# Altium PCB AAS_module_rev1_2.PcbDoc (part 1 of 2)
Units mm, origin at the board's own origin, x right, y up, seen from the top; angles counter-clockwise.
Board outline 73 x 73 mm, 2 copper layers (Component Side, Bottom Layer), stack 0.971 mm thick; 126 components, 108 nets, 483 pads, 376 vias.
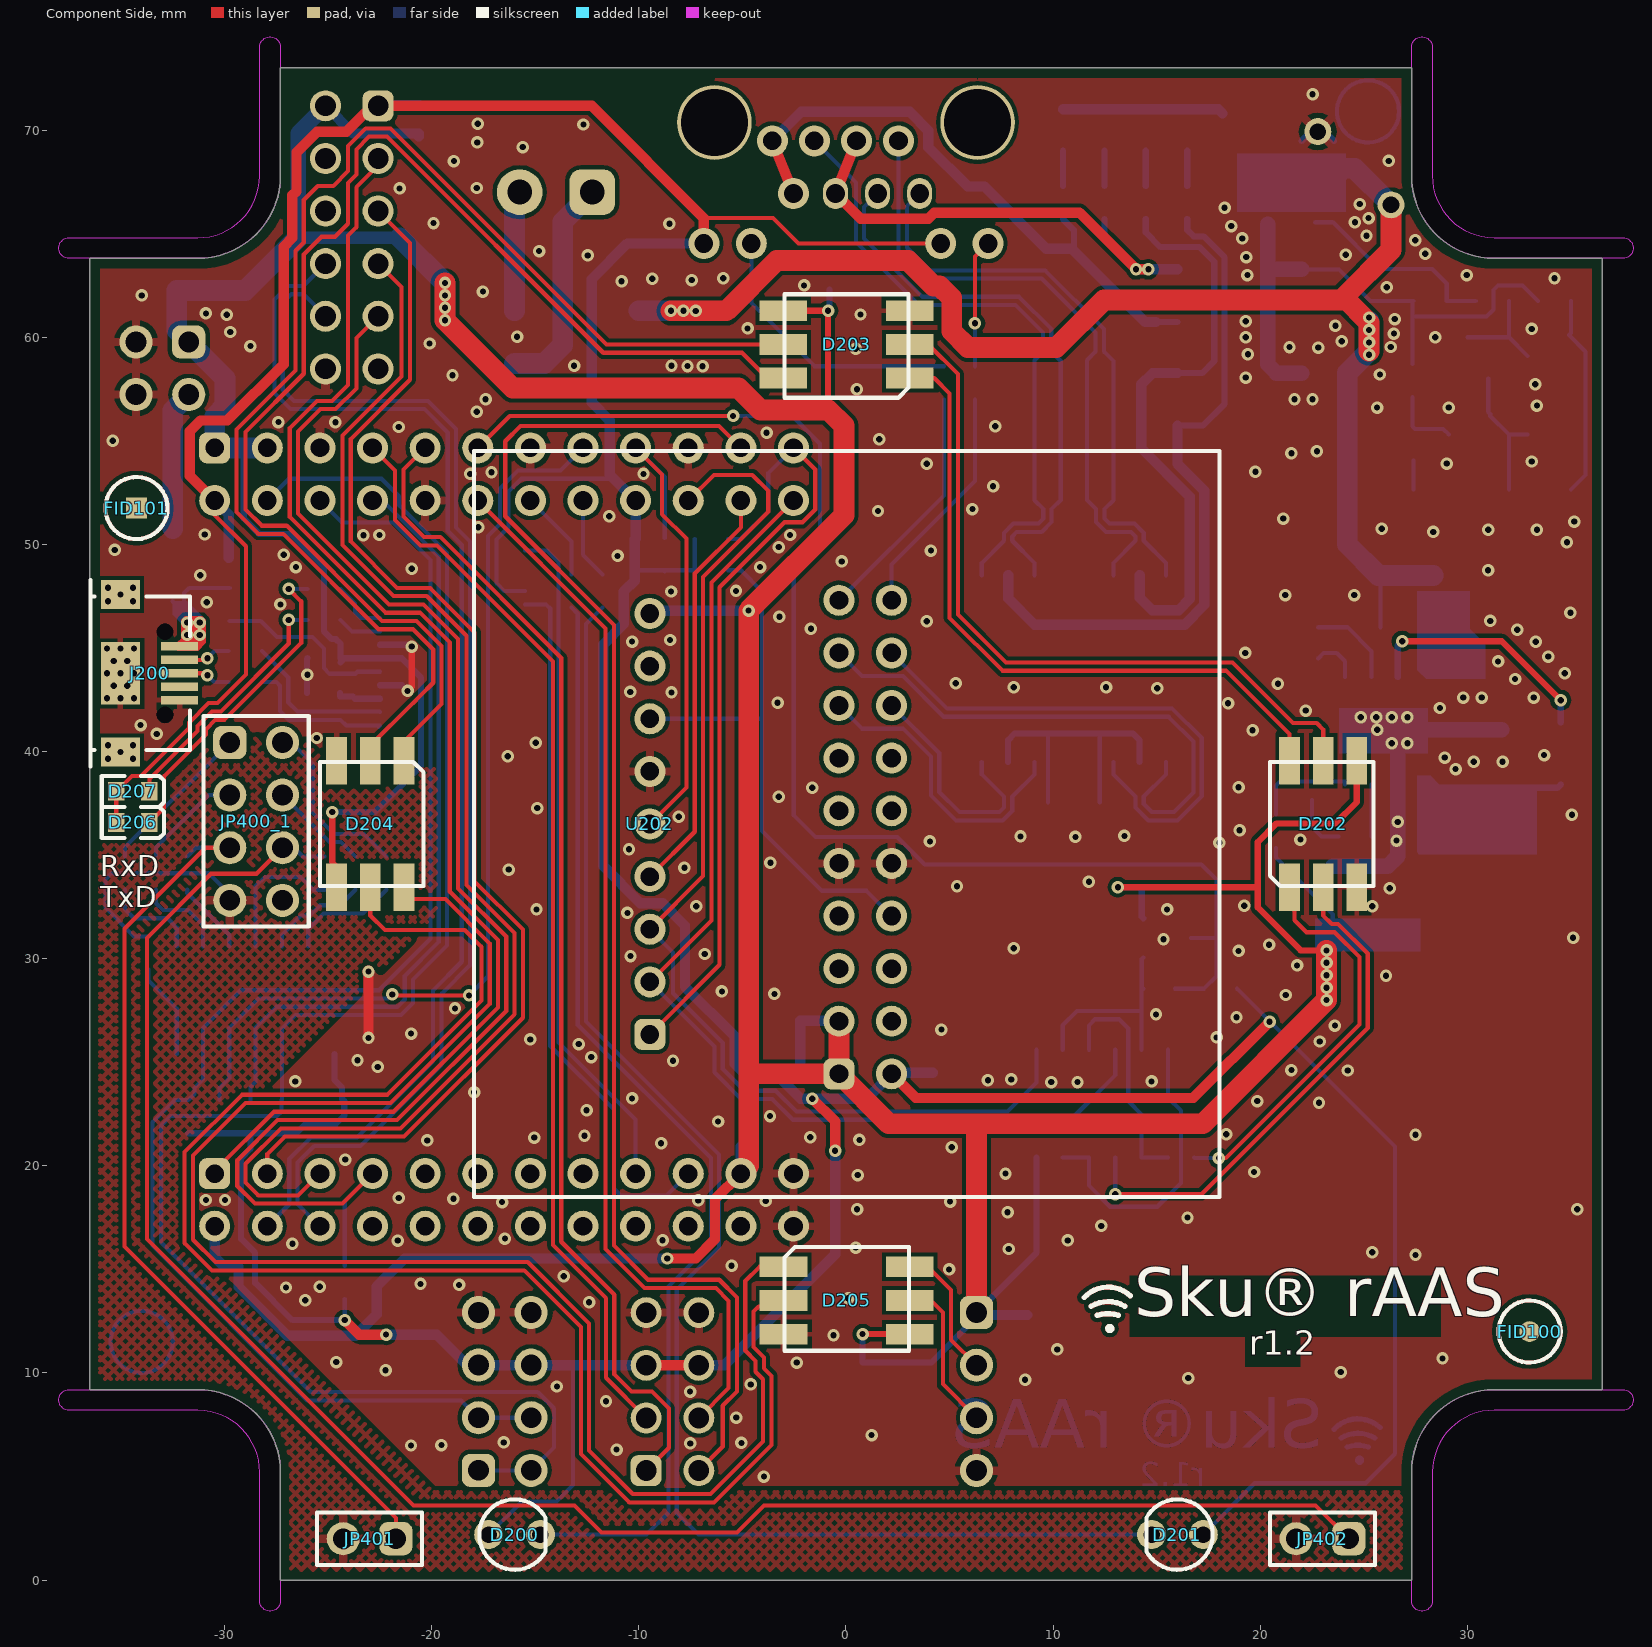
[diagram p0: Component Side view]
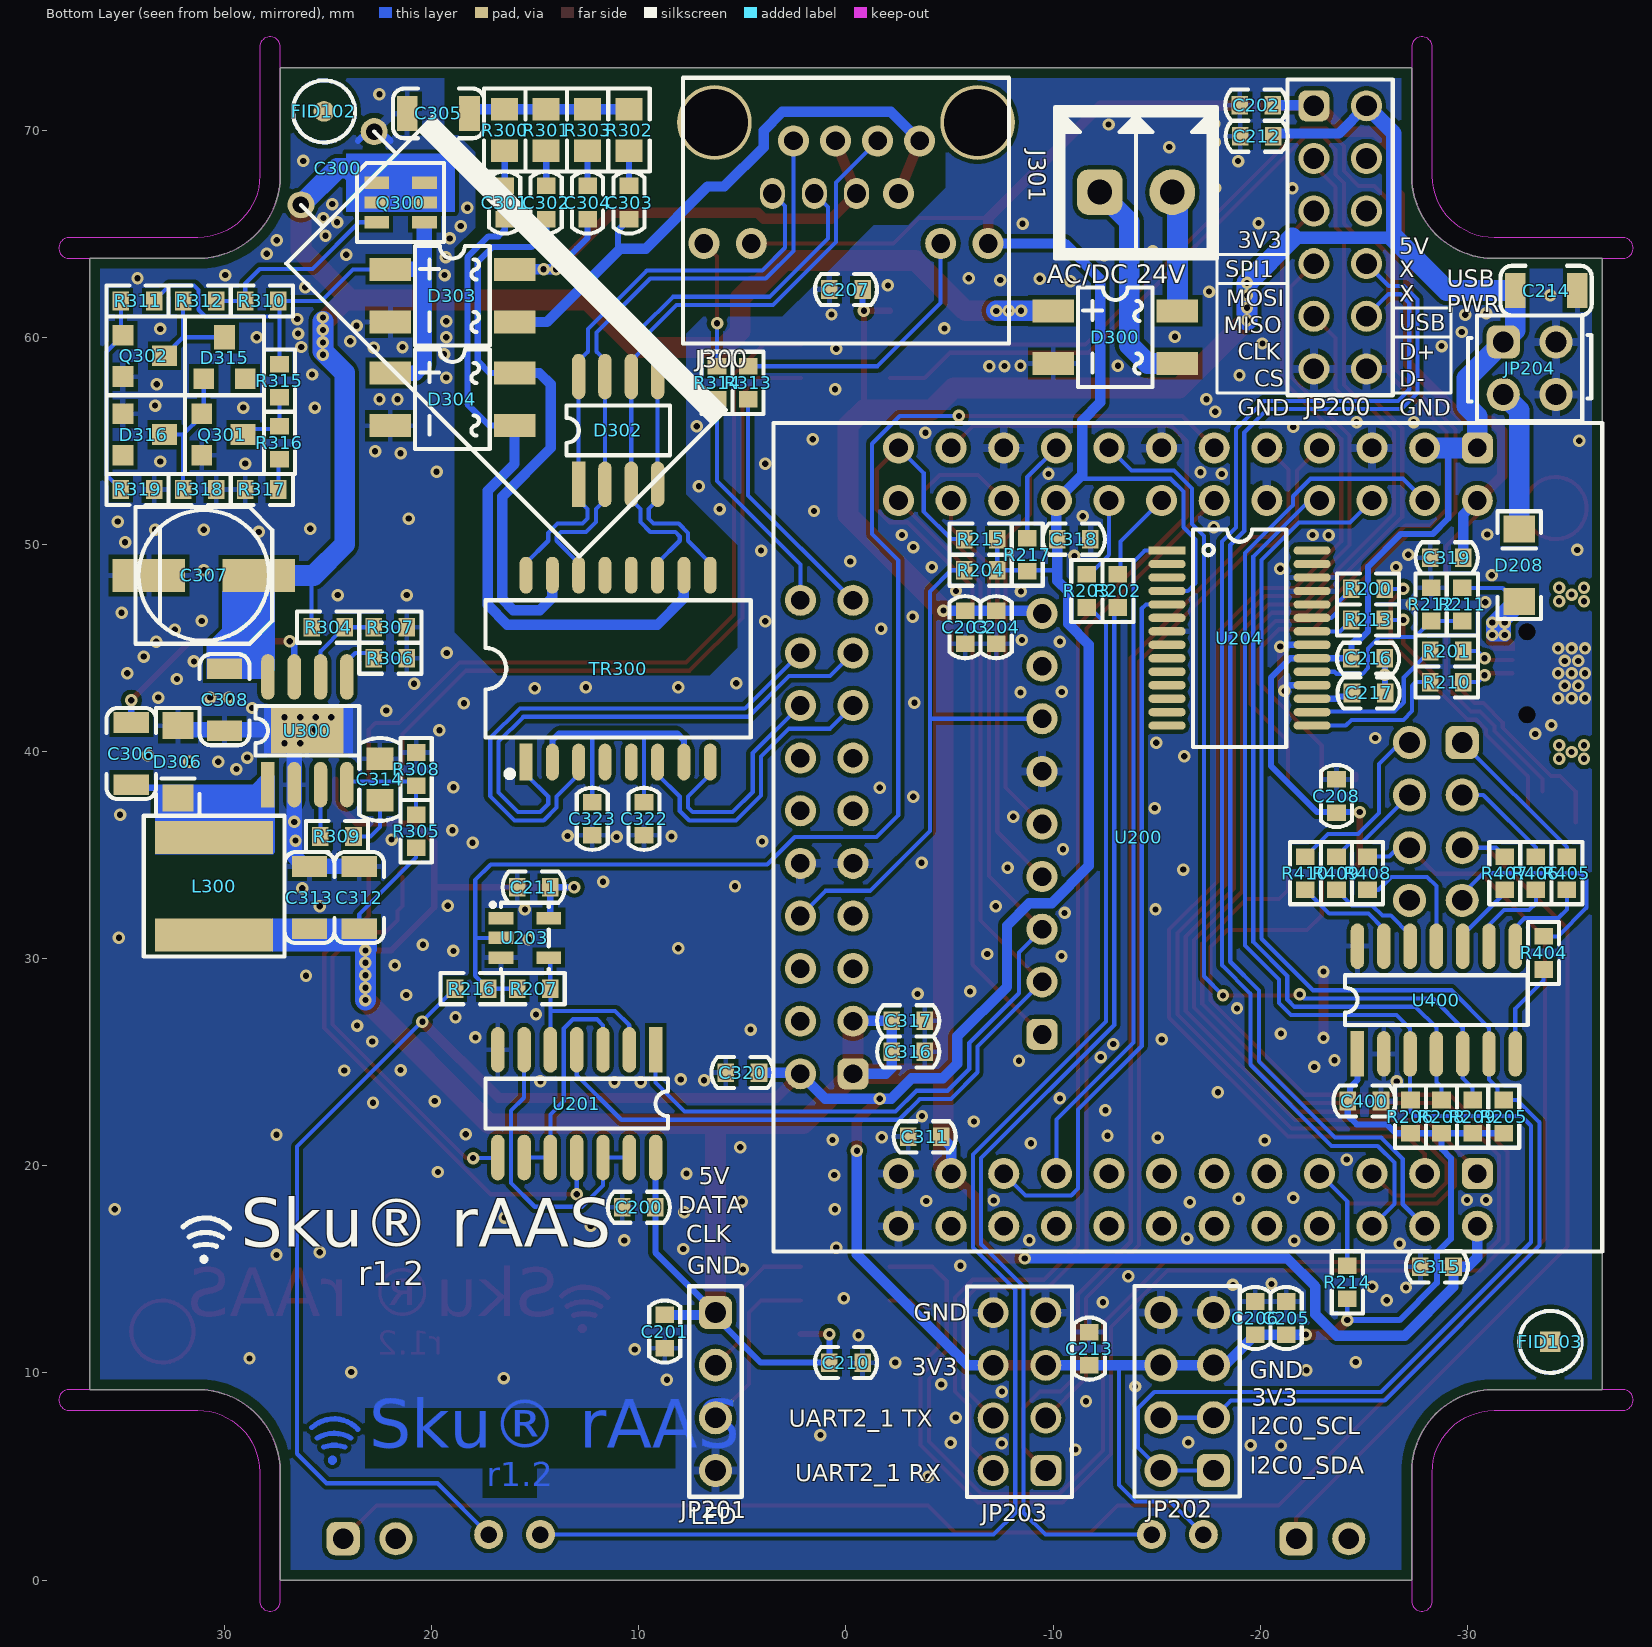
[diagram p1: Bottom Layer view, seen from below]
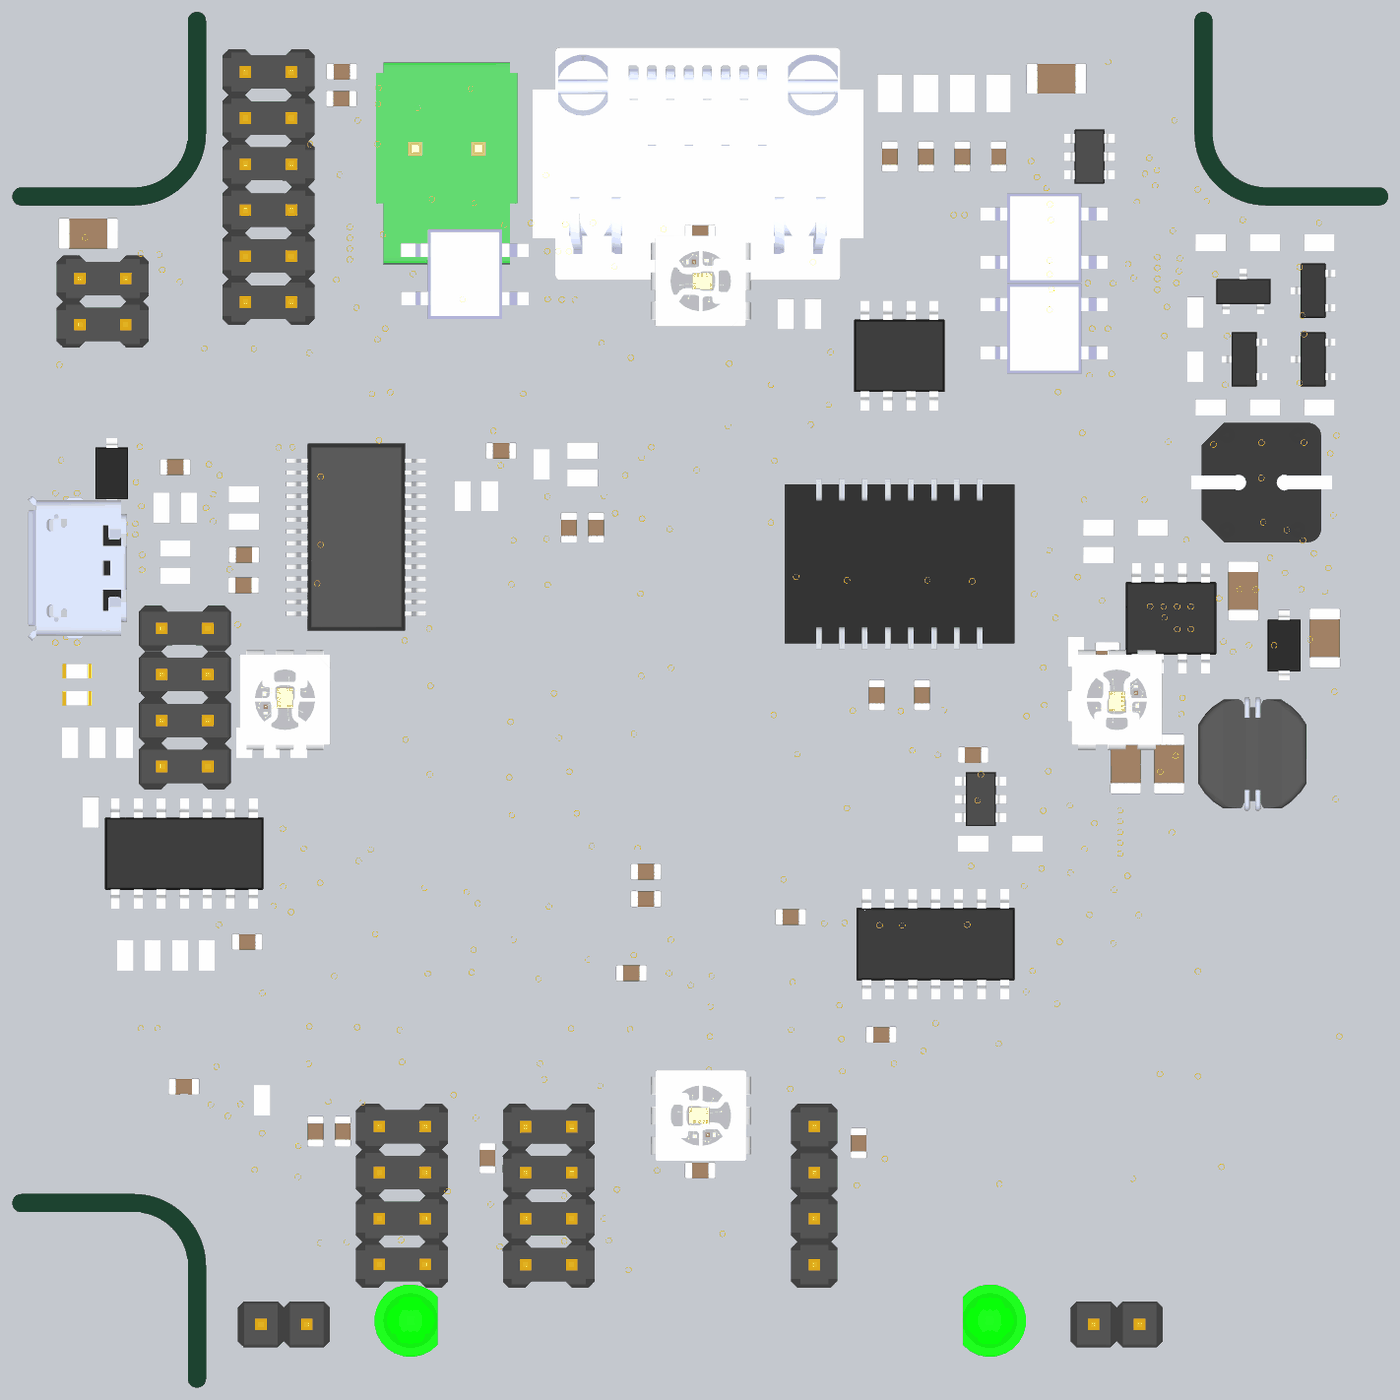
[diagram p3: 3D render of the assembled board from above, using the file's embedded part models]
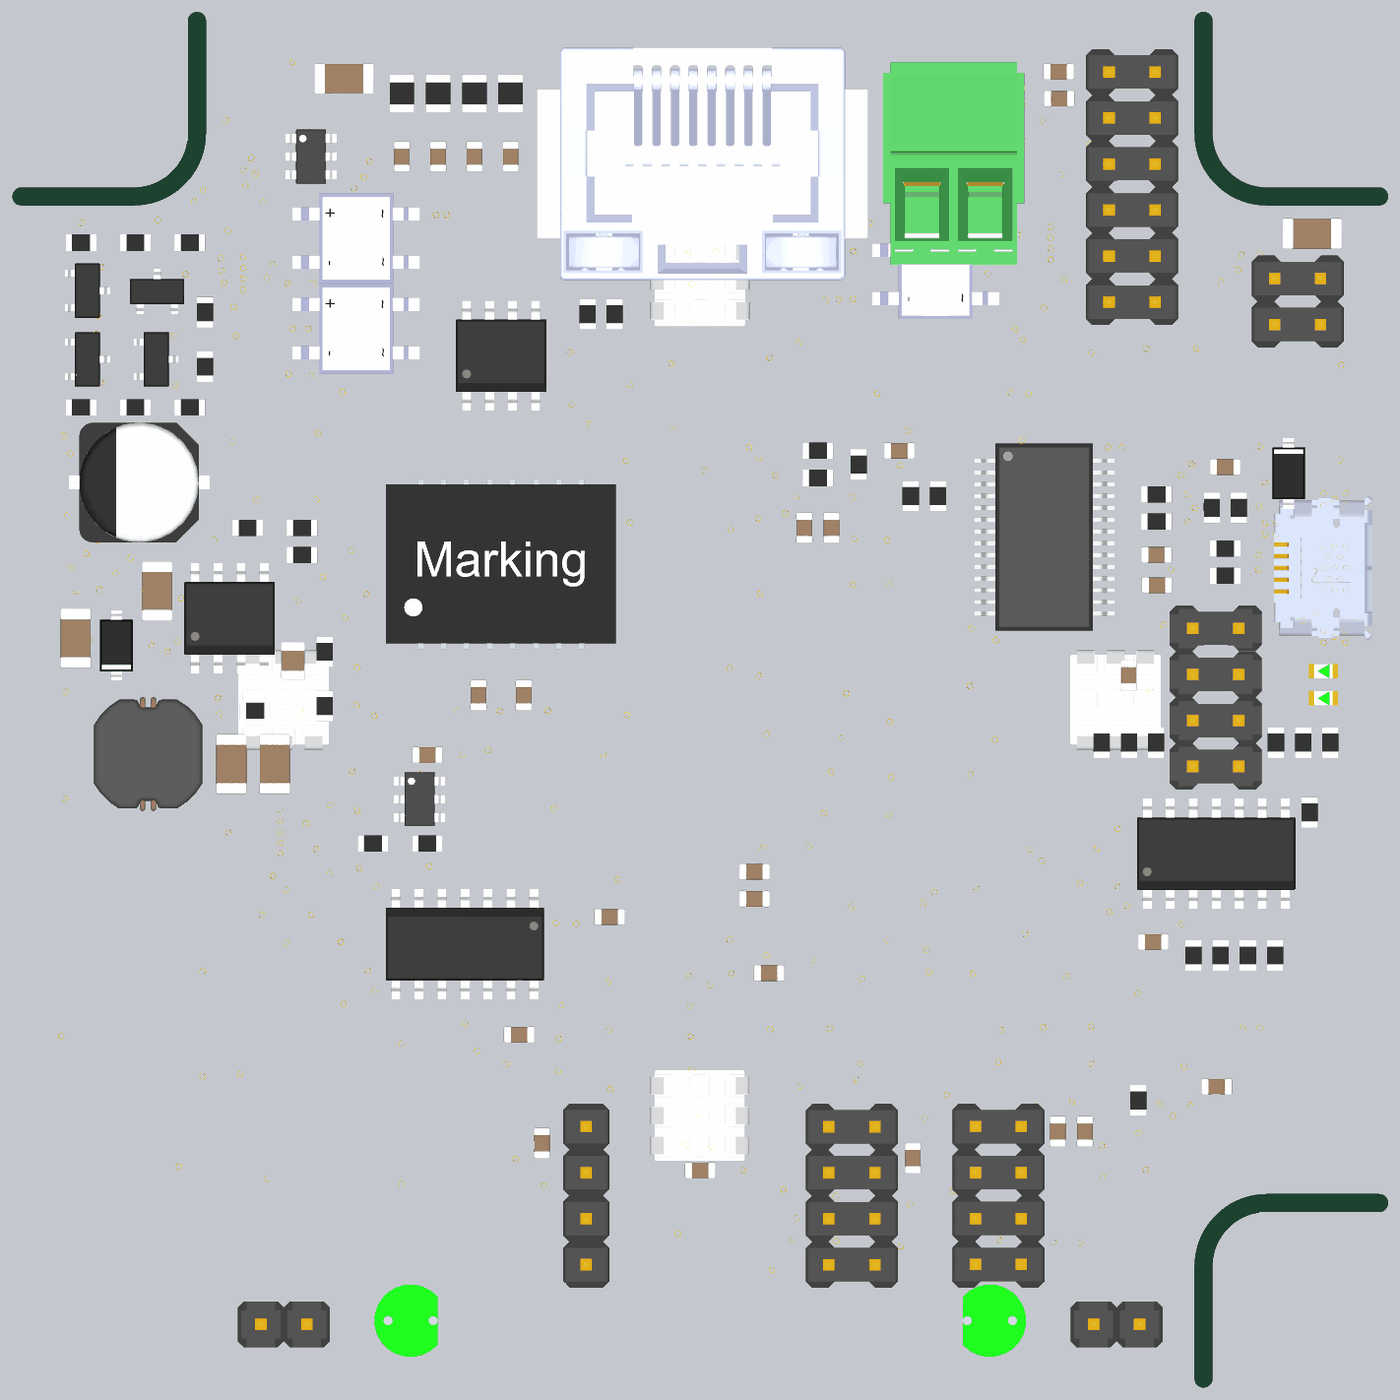
[diagram p4: 3D render of the assembled board from below, using the file's embedded part models]

## Layer stack, top to bottom
Top Solder: solder mask 0.0102, Solder Resist, Dk 3.5
Component Side: signal copper 0.0356
Dielectric 1: core 0.9, FR-4, Dk 4.2
Bottom Layer: signal copper 0.0356
Solder Side: solder mask 0.0102, Solder Resist, Dk 3.5

## Board outline
-36.5,9.2 -31.3,9.2 cw(c-31.3,5.2) -27.3,5.2 -27.3,0 27.3,0 27.3,5.2 cw(c31.3,5.2) 31.3,9.2 36.5,9.2 36.5,63.8 31.3,63.8 cw(c31.3,67.8) 27.3,67.8 27.3,73 -27.3,73 -27.3,67.8 cw(c-31.3,67.8) -31.3,63.8 -36.5,63.8
cut-out: -28.301,74 cw(c-27.8,74) -27.3,74 -27.3,67.82 cw(c-27.8,67.8) -27.3,67.8 cw(c-31.3,67.8) -31.3,63.8 -37.5,63.8 cw(c-37.5,64.3) -37.5,64.8 -31.3,64.8 ccw(c-31.3,67.8) -28.3,67.782 cw(c-27.8,67.8) -28.301,67.8
cut-out: 37.5,64.801 cw(c37.5,64.3) 37.5,63.8 31.32,63.8 cw(c31.3,64.3) 31.3,63.8 cw(c31.3,67.8) 27.3,67.8 27.3,74 cw(c27.8,74) 28.3,74 28.3,67.8 ccw(c31.3,67.8) 31.282,64.8 cw(c31.3,64.3) 31.3,64.801
cut-out: 28.301,-1 cw(c27.8,-1) 27.3,-1 27.3,5.18 cw(c27.8,5.2) 27.3,5.2 cw(c31.3,5.2) 31.3,9.2 37.5,9.2 cw(c37.5,8.7) 37.5,8.2 31.3,8.2 ccw(c31.3,5.2) 28.3,5.218 cw(c27.8,5.2) 28.301,5.2
cut-out: -37.5,8.199 cw(c-37.5,8.7) -37.5,9.2 -31.32,9.2 cw(c-31.3,8.7) -31.3,9.2 cw(c-31.3,5.2) -27.3,5.2 -27.3,-1 cw(c-27.8,-1) -28.3,-1 -28.3,5.2 ccw(c-31.3,5.2) -31.282,8.2 cw(c-31.3,8.7) -31.3,8.199

## Design rules (kind name [scope] priority, off if disabled: settings)
Clearance USB_THT_hole [(ObjectKind = 'Pad') And (Layer = 'MultiLayer') And (Component = 'J200')] p1: gap=0 ignorepadtopadclearanceinfootprint=FALSE
Clearance Outline [IsBoardCutoutRegion] p2: gap=0 ignorepadtopadclearanceinfootprint=FALSE
Clearance Global [All] p3: gap=0.2 ignorepadtopadclearanceinfootprint=FALSE except(0: Arc-Hole Track-Hole SMDPad-Hole THPad-Hole Via-Hole Fill-Hole Poly-Hole Region-Hole Text-Hole)
ComponentClearance ComponentClearance_2 [All] p1 off: gap=0.254 collisioncheckmode=3 verticalgap=0.254 showdistances=FALSE
ComponentClearance [All] p2 off: gap=0.254 collisioncheckmode=3 verticalgap=0.254 showdistances=FALSE
DiffPairsRouting ETHERNET_GAP [InDifferentialPairClass('ETHERNET')] p1: maxlimit=0.508 minlimit=0.305 mostfreqgap=0.305 toplayer_minwidth=0.152 toplayer_maxwidth=0.305 toplayer_prefwidth=0.305 bottomlayer_minwidth=0.152 bottomlayer_maxwidth=0.305 bottomlayer_prefwidth=0.305 maxuncoupledlength=10
DiffPairsRouting USB_GAP [InDifferentialPairClass('USB')] p2: maxlimit=0.508 minlimit=0.203 mostfreqgap=0.305 toplayer_minwidth=0.152 toplayer_maxwidth=0.203 toplayer_prefwidth=0.203 bottomlayer_minwidth=0.152 bottomlayer_maxwidth=0.203 bottomlayer_prefwidth=0.203 maxuncoupledlength=10
FabricationTestPointUsage TestPointUsage [All] p1: valid=0 allowmultiple=FALSE
FabricationTestpoint Testpoint [All] p1: side=3 testpointundercomponent=TRUE minsize=1.016 maxsize=2.54 preferedsize=1.524 minholesize=0.508 maxholesize=1.016 preferedholesize=0.813 testpointgrid=0.025 allowsidetop=TRUE allowsidebottom=TRUE usegrid=TRUE gridtolerance=0
Height [All] p1: minheight=0 maxheight=35 prefheight=12.7
HoleSize [All] p1: absolutevalues=TRUE maxlimit=6 minlimit=0.3 maxpercent=80.000 minpercent=20.000
MaxMinImpedance [InNetClass('HDMI')] p1: minimum=90,00 maximum=110,0
MinimumSolderMaskSliver [All] p1: minsoldermaskwidth=0.145
PolygonConnect DIODE [IsNamedPolygon('NETC18_1_L01_P010')  OR IsNamedPolygon('NETC18_1_L02_P011')    OR IsNamedPolygon('NETC22_1_L01_P015')    OR IsNamedPolygon('DIODE_C_BOTTOM')] p1: connectstyle=Direct reliefconductorwidth=0.254 reliefentries=4 polygonreliefangle="90 Angle" airgapwidth=0.254
PolygonConnect "Spacer holes" [(ObjectKind = 'Pad') And (Net = 'GND') And (AsMM(HoleDiameter) = 2)] p2: connectstyle=Direct reliefconductorwidth=0.254 reliefentries=4 polygonreliefangle="90 Angle" airgapwidth=0.254
PolygonConnect [All] p3: thpad.connectstyle=Relief thpad.reliefconductorwidth=0.4 thpad.reliefentries=4 thpad.polygonreliefangle="90 Angle" thpad.airgapwidth=0.25 smdpad.connectstyle=Relief smdpad.reliefconductorwidth=0.25 smdpad.reliefentries=4 smdpad.polygonreliefangle="90 Angle" smdpad.airgapwidth=0.2 via.connectstyle=Direct via.reliefconductorwidth=0.254 via.reliefentries=4 via.polygonreliefangle="90 Angle" via.airgapwidth=0.254
RoomDefinition AAS_module_TOP-rev1_2 [InComponentClass('AAS_module_TOP-rev1_2')] p1: confinementstyle=ConfineOut formatcopy=TRUE lockcomponents=FALSE outline -230.506,-246.136 -179.706,-246.136 -179.706,-220.736 -230.506,-220.736
RoomDefinition Designator [InComponentClass('Designator')] p2: confinementstyle=ConfineOut formatcopy=TRUE lockcomponents=FALSE outline -80.752,-69.325 -34.625,-69.325 -34.625,-56.299 -80.752,-56.299
RoomDefinition U_AAS_module_MCU-rev1_2 [InComponentClass('U_AAS_module_MCU-rev1_2')] p3: confinementstyle=ConfineOut formatcopy=TRUE lockcomponents=FALSE outline 47.208,-167.475 83.71,-167.475 83.71,-128.448 47.208,-128.448
RoomDefinition U_AAS_module_Power-rev1_2 [InComponentClass('U_AAS_module_Power-rev1_2')] p4: confinementstyle=ConfineOut formatcopy=TRUE lockcomponents=FALSE outline 25.632,-185.575 121.91,-185.575 121.91,-174.091 25.632,-174.091
RoutingVias [All] p1: holewidth=0.3 width=0.6 viastyle="Through Hole" minholewidth=0.3 minwidth=0.6 maxholewidth=1.1 maxwidth=2.4
ShortCircuit "POD MERICIM MODULEM" [HasFootprint('PMUE-R1.1')] p1: allowed=TRUE
ShortCircuit [All] p2: allowed=FALSE
SilkToSilkClearance [All] p1: silktosilkclearance=0
SilkToSolderMaskClearance [IsPad] p1: minsilkscreentomaskgap=0 clearancetoexposedcopper=TRUE
SolderMaskExpansion [All] p1: expansion=0.102
Width [All] p1: maxlimit=5 minlimit=0.15 preferedwidth=0.2
20 further rules are at their usual default settings.
